# Altium PCB Tag_PCB.PcbDoc
Units mil, origin at the board's own origin, x right, y up, seen from the top; angles counter-clockwise.
Board outline 2555 x 1725 mil, 2 copper layers (Top Layer, Bottom Layer); 80 components, 55 nets, 361 pads, 62 vias.
Unrouted connection lines stored in the file: 1.
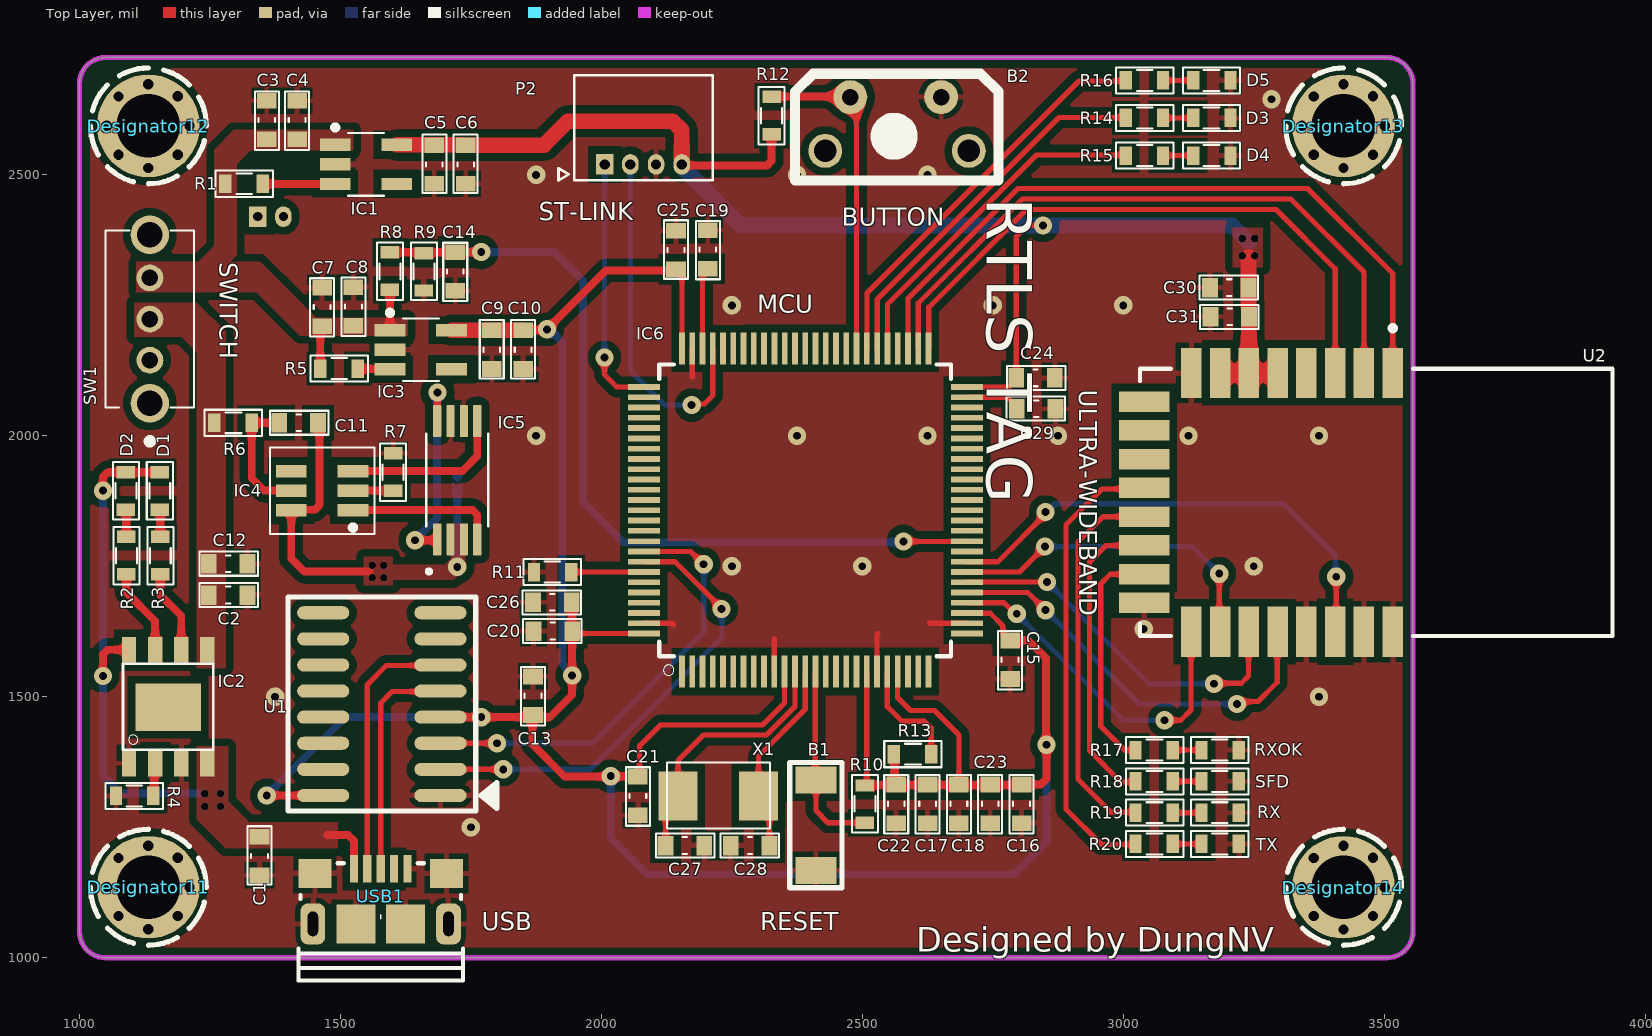
[diagram p0: Top Layer view]
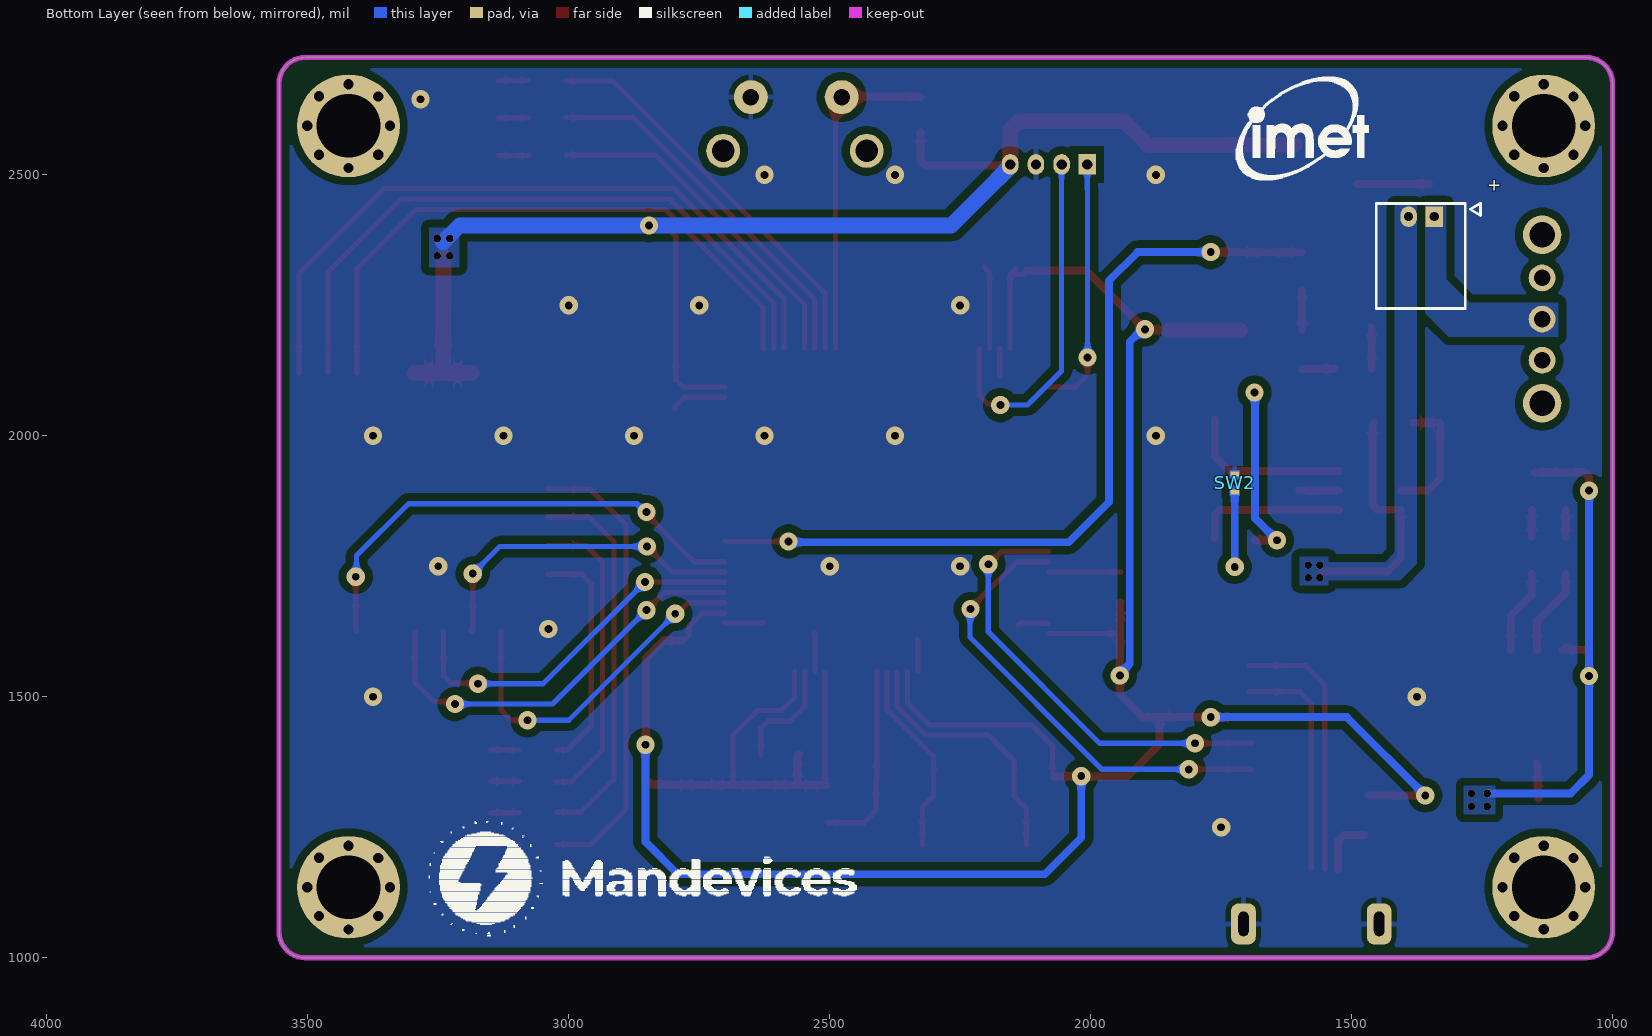
[diagram p1: Bottom Layer view, seen from below]
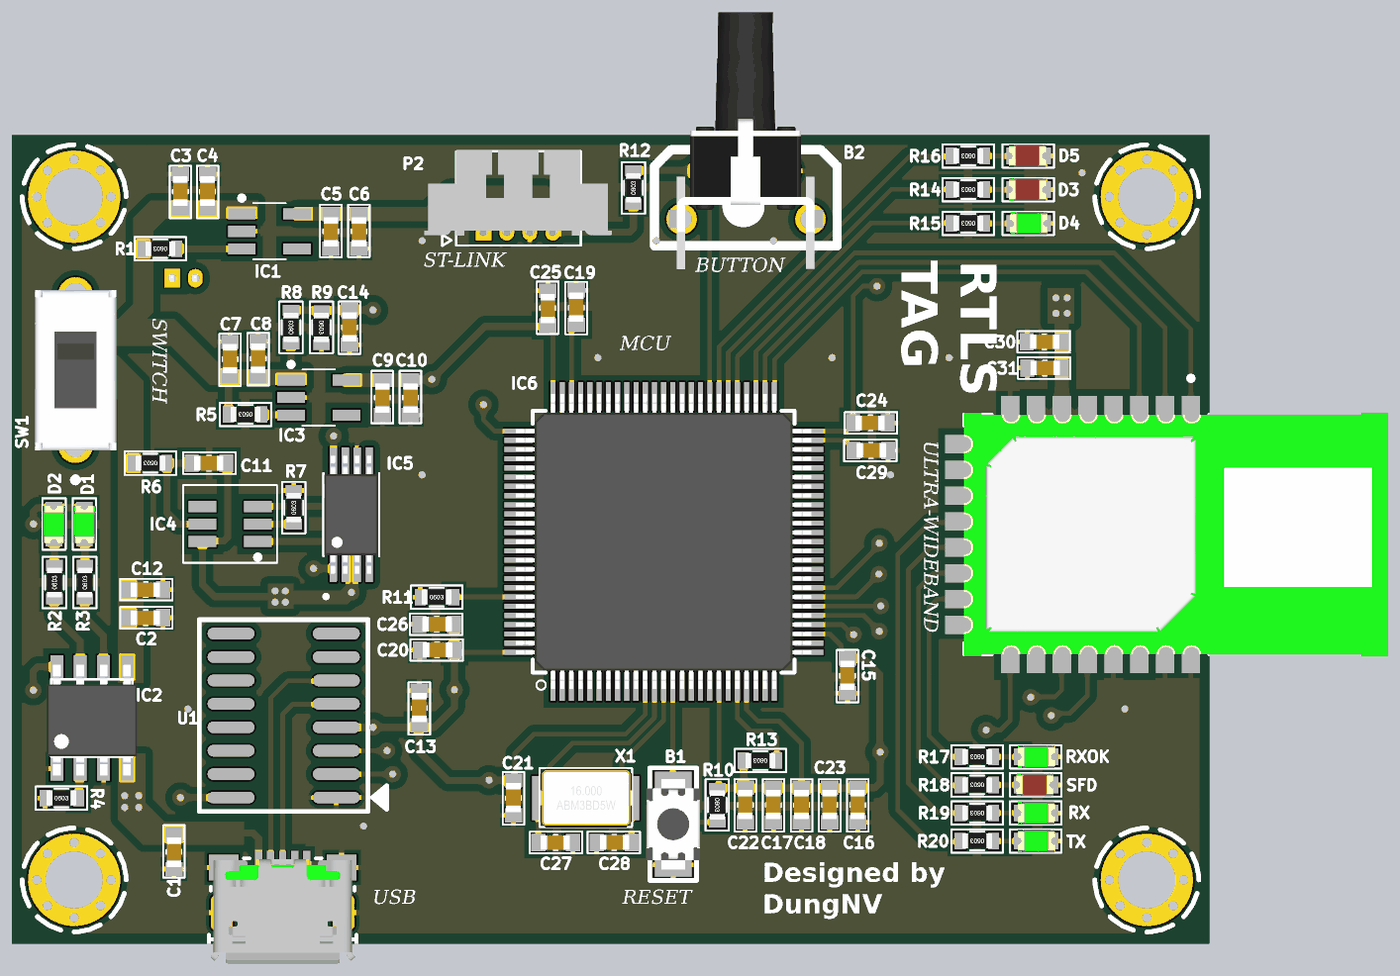
[diagram p2: 3D render of the assembled board from above, using the file's embedded part models]

## Layer stack, top to bottom
Top Solder: solder mask 0.4, Solder Resist, Dk 3.5
Top Layer: signal copper 1.4
Dielectric 1: dielectric 12.6, FR-4, Dk 4.8
Bottom Layer: signal copper 1.4
Bottom Solder: solder mask 0.4, Solder Resist, Dk 3.5

## Board outline
1000,1050 1000,2675 cw(c1050,2675) 1050,2725 3505,2725 cw(c3505,2675) 3555,2675 3555,1050 cw(c3505,1050) 3505,1000 1050,1000 cw(c1050,1050)

## Design rules (kind name [scope] priority, off if disabled: settings)
Clearance [All] p1: gap=8 ignorepadtopadclearanceinfootprint=TRUE except(0: Arc-Hole Track-Hole SMDPad-Hole THPad-Hole Via-Hole Fill-Hole Poly-Hole Region-Hole Text-Hole; 15: Arc-Fill Arc-Poly Arc-Region Track-Fill Track-Poly Track-Region SMDPad-Fill SMDPad-Poly SMDPad-Region THPad-Fill THPad-Poly THPad-Region Via-Fill Via-Poly Via-Region Fill-Fill Fill-Poly Fill-Region Poly-Poly Poly-Region Region-Region)
MinimumSolderMaskSliver [All] p1: minsoldermaskwidth=0
PolygonConnect PolygonConnect_GND [InNet('GND')] p1: thpad.connectstyle=Relief thpad.reliefconductorwidth=10 thpad.reliefentries=4 thpad.polygonreliefangle="90 Angle" thpad.airgapwidth=10 smdpad.connectstyle=Relief smdpad.reliefconductorwidth=10 smdpad.reliefentries=4 smdpad.polygonreliefangle="90 Angle" smdpad.airgapwidth=10 via.connectstyle=Direct via.reliefconductorwidth=10 via.reliefentries=4 via.polygonreliefangle="90 Angle" via.airgapwidth=10
PolygonConnect [All] p2: connectstyle=Direct reliefconductorwidth=10 reliefentries=4 polygonreliefangle="90 Angle" airgapwidth=10
RoutingVias [All] p1: holewidth=15 width=35 viastyle="Through Hole" minholewidth=15 minwidth=15 maxholewidth=20 maxwidth=45
SilkToSilkClearance [All] p1: silktosilkclearance=0
SilkToSolderMaskClearance [IsPad] p1: minsilkscreentomaskgap=0 clearancetoexposedcopper=TRUE
SolderMaskExpansion [All] p1: expansion=4 istentingtop=FALSE
Width [All] p1: maxlimit=100 minlimit=5 preferedwidth=10
27 further rules are at their usual default settings.

## Classes and differential pairs
component class U_STM32: B1 B2 C15 C16 C17 C18 C19 C20 C21 C22 C23 C24 C25 C26 C27 C28 C29 D3 D4 D5 IC6 P2 R10 R11 R12 R13 R14 R15 R16 X1
component class U_POWER: + C1 C2 C3 C4 C5 C6 C7 C8 C9 C10 C11 C12 C13 C14 D1 D2 IC1 IC2 IC3 IC4 IC5 R1 R2 R3 R4 R5 R6 R7 R8 R9 SW1 SW2 U1 USB1
component class U_DW1000: C30 C31 R17 R18 R19 R20 RX RXOK SFD TX U2

## Components (designator, comment, footprint, x,y, rotation, side; value= is the part's Value field where it differs from the comment)
+ "BAT" HEAD2P-1.25 1370,2420 r0 bottom (schematic designator P1)
B1 "Button 3x4x2.5" "Button 3x4x2.5" 2411,1254 r90 top
B2 "Button 3x4x2.5" "BUTTON NGHIENG" 2581,2639 r180 top
C1 "100nF" CAP_0603 1345,1195 r270 top value=33p
C2 "100nF" CAP_0603 1285,1695 r180 top value=33p
C3 "100nF" CAP_0603 1359,2605 r90 top value=33p
C4 "10uF" CAP_0603 1417,2605 r90 top value=33p
C5 "100nF" CAP_0603 1680,2520 r270 top value=33p
C6 "10uF" CAP_0603 1740,2520 r270 top value=33p
C7 "100nF" CAP_0603 1465,2247 r90 top value=33p
C8 "10uF" CAP_0603 1525,2248 r90 top value=33p
C9 "100nF" CAP_0603 1790,2165 r270 top value=33p
C10 "10uF" CAP_0603 1850,2165 r270 top value=33p
C11 "100nF" CAP_0603 1420,2025 r180 top value=33p
C12 "100nF" CAP_0603 1285,1755 r180 top value=33p
C13 "100nF" CAP_0603 1869,1502 r90 top value=33p
C14 "100nF" CAP_0603 1720,2315 r90 top value=33p
C15 "100nF" CAP_0603 2783,1571 r90 top value=33p
C16 "1uF" CAP_0603 2805,1295 r90 top value=33p
C17 "100nF" CAP_0603 2625,1295 r90 top value=33p
C18 "1uF" CAP_0603 2685,1295 r90 top value=33p
C19 "2.2uF" CAP_0603 2204,2357 r90 top value=33p
C20 "100nF" CAP_0603 1907,1626 r0 top value=33p
C21 "100nF" CAP_0603 2070,1310 r90 top value=33p
C22 "100nF" CAP_0603 2565,1295 r90 top value=33p
C23 "100nF" CAP_0603 2745,1295 r90 top value=33p
C24 "100nF" CAP_0603 2832,2111 r180 top value=33p
C25 "100nF" CAP_0603 2143,2356 r270 top value=33p
C26 "4.7uF" CAP_0603 1906,1681 r0 top value=33p
C27 "22pF" CAP_0603 2160,1215 r180 top value=33p
C28 "22pF" CAP_0603 2285,1215 r0 top value=33p
C29 "2.2uF" CAP_0603 2833,2052 r0 top value=33p
C30 "10uF" CAP_0603 3203,2284 r0 top value=33p
C31 "100nF" CAP_0603 3204,2228 r0 top value=33p
D1 "BLUE" LED-0603-Green 1155,1890 r270 top value="LED 3 ly Single Colour"
D2 "BLUE" LED-0603-Green 1090,1890 r270 top value="LED 3 ly Single Colour"
D3 "RED" LED-0603-Red 3171,2609 r0 top value="LED 3 ly Single Colour"
D4 "GREEN" LED-0603-Green 3174,2538 r0 top value="LED 3 ly Single Colour"
D5 "YELLOW" LED-0603-Red 3171,2681 r0 top value="LED 3 ly Single Colour"
Designator11 "Comment" HOLD 1132.09,1135.12 r0 top
Designator12 "Comment" HOLD 1132.09,2593.9 r0 top
Designator13 "Comment" HOLD 3422.09,2593.9 r0 top
Designator14 "Comment" HOLD 3422.09,1135 r0 top
IC1 "RT9013" SOT23-5 1549.06,2520.03 r0 top
IC2 "TP4056" TP4056 1170,1481 r90 top
IC3 "RT9013" SOT23-5 1654.06,2165 r0 top
IC4 "DW01A" SOT23-6 1465,1895 r180 top
IC5 "FS8205A" FS8205A 1726,1915 r90 top
IC6 "STM32F407VET6" STM32F407VET6 2365,1865 r90 top
P2 "ST_LINK" HEADER4P-1.25 2082.79,2520 r0 top
R1 "10k" RES-SMD-0603 1316,2483 r180 top
R2 "1k" RES-SMD-0603 1090,1770 r90 top
R3 "1k" RES-SMD-0603 1155,1770 r90 top
R4 "1k2" RES-SMD-0603 1105,1310 r0 top
R5 "10k" RES-SMD-0603 1498,2129 r180 top
R6 "10R" RES-SMD-0603 1295,2025 r180 top
R7 "1k" RES-SMD-0603 1601,1930 r90 top
R8 "30k" RES-SMD-0603 1595,2315 r90 top
R9 "100k" RES-SMD-0603 1660,2315 r270 top
R10 "10k" RES-SMD-0603 2505,1295 r270 top
R11 "100k" RES-SMD-0603 1906,1739 r0 top
R12 "10k" RES-SMD-0603 2326,2613 r90 top
R13 "0R" RES-SMD-0603 2597,1390 r180 top
R14 "1k" RES-SMD-0603 3041,2609 r180 top
R15 "1k" RES-SMD-0603 3041,2537 r180 top
R16 "1k" RES-SMD-0603 3041,2681 r180 top
R17 "330R" RES-SMD-0603 3060,1398 r180 top
R18 "330R" RES-SMD-0603 3060,1338 r180 top
R19 "330R" RES-SMD-0603 3060,1278 r180 top
R20 "330R" RES-SMD-0603 3060,1218 r180 top
RX "GREEN" LED-0603-Green 3190,1279 r0 top value="LED 3 ly Single Colour" (schematic designator D8)
RXOK "BLUE" LED-0603-Green 3190,1399 r0 top value="LED 3 ly Single Colour" (schematic designator D6)
SFD "RED" LED-0603-Red 3187,1338 r0 top value="LED 3 ly Single Colour" (schematic designator D7)
SW1 "Cong tac gat" CONG-TAC-GAT 1115.18,2230.81 r90 top
SW2 "SW" SW 1732.86,1889.6 r0 bottom
TX "YELLOW" LED-0603-Green 3190,1219 r0 top value="LED 3 ly Single Colour" (schematic designator D9)
U1 "CH340C" SO16 1579.36,1486 r180 top
U2 "DWM1000" DW1000 3484.69,1873.68 r270 top
USB1 "USB Micro 5p DIP" "USB Micro 5p DIP" 1577.24,1065 r0 top
X1 "8Mhz" "XTAL 5032 SMD" 2225,1310 r0 top value=4Mhz

## Footprints (in the part's own frame and the unit in brackets; to place one, negate y for a bottom-side part, rotate by r counter-clockwise, add the part's x,y. Pads: shape width x height; smd on the part's side, far side on the other; paste and mask are expansions set on the pad)
"Button 3x4x2.5" [mm]
  rect 1.3x2 smd: 1(-2.2,0) 2(2.2,0)
  silkscreen extent -3.05,-1.27 3.05,1.27, body extent -2.45,-1.45 2.45,1.45, height 2
"BUTTON NGHIENG" [mil] "BUTTON NGHIENG"
  round 65 hole 43.31: 0(-123,93) 0(152,93)
  round 65 hole 31.5: 1(-70,-10) 2(104,-10)
  silkscreen extent -180,-55 210,150, body extent -150,-348 180,200, height 494
CAP_0603 [mil]
  rect 30x37.4 smd mask+3: 1(-37,0) 2(37,0)
  silkscreen extent -57,-23 55,23, body extent -30,-15 32,16, height 35
CONG-TAC-GAT [mm]
  round 1.3 hole 0.8: 1(-2.18,-0.503) 2(-0.18,-0.503) 3(1.82,-0.503)
  round 1.875 hole 1.25: 4(-4.28,-0.503) 5(3.92,-0.503)
  silkscreen extent -6.18,-2.65 4.12,1.65, body extent -4.53,-2.7 4.17,1.7, height 8.7
DW1000 [mm]
  rect 2.45x1 smd paste+0 mask+0: 1(-6.27,0.8) 2(-6.27,-0.6) 3(-6.27,-2) 4(-6.27,-3.4) 5(-6.27,-4.8) 6(-6.27,-6.2) 7(-6.27,-7.6) 8(-6.27,-9) 17(6.32,-9) 18(6.32,-7.6) 19(6.32,-6.2) 20(6.32,-4.8) 21(6.32,-3.4) 22(6.32,-2) 23(6.32,-0.6) 24(6.32,0.8)
  rect 1x2.45 smd paste+0 mask+0: 9(-4.875,-11.295) 10(-3.475,-11.295) 11(-2.075,-11.295) 12(-0.675,-11.295) 13(0.725,-11.295) 14(2.125,-11.295) 15(3.525,-11.295) 16(4.925,-11.295)
  silkscreen extent -8.57,-11.5 6.53,11.5, body extent -6.57,-11.5 6.63,11.5, height 3.15
FS8205A [mm]
  rrect25% 1.56x0.4 smd: 1(-2.88,1.031) 2(-2.88,0.381) 3(-2.88,-0.269) 4(-2.88,-0.919) 5(2.88,-0.919) 6(2.88,-0.269) 7(2.88,0.381) 8(2.88,1.031)
  silkscreen extent -4.54,-1.46 2.25,1.57, body extent -3.2,-1.4 3.2,1.53, height 1.2
HEAD2P-1.25 [mm]
  rect 0.85x1 hole 0.45 mask+0.076: 1(-0.722,0)
  oval 0.8x1 hole 0.45 mask+0.076: 2(0.528,0)
  silkscreen extent -2.97,-0.66 2.11,4.47, body extent -3.84,-0.19 3.61,4.56, height 3.83
HEADER4P-1.25 [mm]
  rect 0.85x1 hole 0.5 mask+0.076: 1(-1.941,0)
  oval 0.8x1 hole 0.5 mask+0.076: 2(-0.691,0) 3(0.559,0) 4(1.809,0)
  silkscreen extent -4.19,-0.78 3.33,4.34, body extent -5.15,-0.23 5,4.42, height 3.8
HOLD [mm]
  round 0.5 hole 0.5: 2(-2.025,0) 2(-1.45,-1.4) 2(-1.45,1.425) 2(0,-2.05) 2(0,2.025) 2(1.429,-1.4) 2(1.429,1.434) 2(2,0)
  round 5 hole 3.1: 10(0,0)
  silkscreen extent -2.82,-2.82 2.82,2.82
LED-0603-Green [mm]
  rect 0.6x0.9 smd: 1(-1.016,-0.025) 2(0.8,-0.025)
  silkscreen extent -1.52,-0.66 1.27,0.61, body extent -1.11,-0.65 0.91,0.6, height 1.1
LED-0603-Red [mm]
  rect 0.6x0.9 smd: 1(-0.94,0) 2(0.876,0)
  silkscreen extent -1.45,-0.64 1.35,0.64, body extent -1.11,-0.62 0.91,0.63, height 1.1
RES-SMD-0603 [mm]
  rect 0.6x0.9 smd: 1(-0.889,0) 2(0.927,0)
  silkscreen extent -1.4,-0.63 1.4,0.64, body extent -0.8,-0.4 0.8,0.4, height 0.43
SO16 [mil]
  oval 100x25 smd: 1(-112.36,175) 2(-112.36,125) 3(-112.36,75) 4(-112.36,25) 5(-112.36,-25) 6(-112.36,-75) 7(-112.36,-125) 8(-112.36,-175) 9(112.36,-175) 10(112.36,-125) 11(112.36,-75) 12(112.36,-25) 13(112.36,25) 14(112.36,75) 15(112.36,125) 16(112.36,175)
  silkscreen extent -220,-205 180,205, body extent -137,-195 137,195, height 69
SOT23-5 [mm] "SOT23, 5-Leads, Body 3.0x3.0mm (max), Pitch 0.95mm, IPC Medium Density"
  rect 1.5x0.6 smd: 1(-1.5,0.95) 2(-1.5,0) 3(-1.5,-0.95) 4(1.5,-0.95) 5(1.5,0.95)
  silkscreen extent -1.62,-1.52 0.87,1.92, body extent -1.75,-1.52 1.75,1.53, height 1.45
SOT23-6 [mm] "SOT23, 5-Leads, Body 3.0x3.0mm (max), Pitch 0.95mm, IPC Medium Density"
  rect 1.5x0.6 smd: 1(-1.5,0.95) 2(-1.5,0) 3(-1.5,-0.95) 4(1.5,-0.95) 5(1.5,0) 6(1.5,0.95)
  silkscreen extent -2.54,-2.11 2.54,2.11, body extent -1.75,-1.52 1.75,1.53, height 1.45
STM32F407VET6 [mm]
  rect 1.559x0.28 smd: 1(-8.049,5.353) 2(-8.049,4.853) 3(-8.049,4.353) 4(-8.049,3.853) 5(-8.049,3.353) 6(-8.049,2.853) 7(-8.049,2.353) 8(-8.049,1.853) 9(-8.049,1.353) 10(-8.049,0.853) 11(-8.049,0.353) 12(-8.049,-0.147) 13(-8.049,-0.647) 14(-8.049,-1.147) 15(-8.049,-1.647) 16(-8.049,-2.147) 17(-8.049,-2.647) 18(-8.049,-3.147) 19(-8.049,-3.647) 20(-8.049,-4.147) 21(-8.049,-4.647) 22(-8.049,-5.147) 23(-8.049,-5.647) 24(-8.049,-6.147) 25(-8.049,-6.647) 51(7.675,-6.65) 52(7.675,-6.15) 53(7.675,-5.65) 54(7.675,-5.15) 55(7.675,-4.65) 56(7.675,-4.15) 57(7.675,-3.65) 58(7.675,-3.15) 59(7.675,-2.65) 60(7.675,-2.15) 61(7.675,-1.65) 62(7.675,-1.15) 63(7.675,-0.65) 64(7.675,-0.15) 65(7.675,0.35) 66(7.675,0.85) 67(7.675,1.35) 68(7.675,1.85) 69(7.675,2.35) 70(7.675,2.85) 71(7.675,3.35) 72(7.675,3.85) 73(7.675,4.35) 74(7.675,4.85) 75(7.675,5.35)
  rect 0.28x1.559 smd: 26(-6.196,-8.526) 27(-5.696,-8.526) 28(-5.196,-8.526) 29(-4.696,-8.526) 30(-4.196,-8.526) 31(-3.696,-8.526) 32(-3.196,-8.526) 33(-2.696,-8.526) 34(-2.196,-8.526) 35(-1.696,-8.526) 36(-1.196,-8.526) 37(-0.696,-8.526) 38(-0.196,-8.526) 39(0.304,-8.526) 40(0.804,-8.526) 41(1.304,-8.526) 42(1.804,-8.526) 43(2.304,-8.526) 44(2.804,-8.526) 45(3.304,-8.526) 46(3.804,-8.526) 47(4.304,-8.526) 48(4.804,-8.526) 49(5.304,-8.526) 50(5.804,-8.526) 76(5.804,7.206) 77(5.304,7.206) 78(4.804,7.206) 79(4.304,7.206) 80(3.804,7.206) 81(3.304,7.206) 82(2.804,7.206) 83(2.304,7.206) 84(1.804,7.206) 85(1.304,7.206) 86(0.804,7.206) 87(0.304,7.206) 88(-0.196,7.206) 89(-0.696,7.206) 90(-1.196,7.206) 91(-1.696,7.206) 92(-2.196,7.206) 93(-2.696,7.206) 94(-3.196,7.206) 95(-3.696,7.206) 96(-4.196,7.206) 97(-4.696,7.206) 98(-5.196,7.206) 99(-5.696,7.206) 100(-6.196,7.206)
  silkscreen extent -8.23,-7.75 6.9,6.45, body extent -8.2,-8.65 7.8,7.35, height 1.56
SW [mm]
  rect 0.4x0.25 smd: 1(-0.225,-0.95) 2(-0.225,-0.075)
  Top Layer region: -0.475,-1.138 -0.475,-0.763 -0.225,-0.513 0.025,-0.762 0.025,-1.138
  Top Layer region: -0.475,-0.575 -0.225,-0.325 0.025,-0.575 0.025,0.112 -0.475,0.112
TP4056 [mm]
  rect 1.3x0.7 smd: 1(-2.75,1.905) 2(-2.75,0.635) 3(-2.75,-0.635) 4(-2.75,-1.905) 5(2.75,-1.905) 6(2.75,-0.635) 7(2.75,0.635) 8(2.75,1.905)
  rect 2.3x3.2 smd: GND(-0.025,0)
  silkscreen extent -2.1,-2.2 2.1,2.2, body extent -3.13,-2.45 2.87,2.45, height 1.75
"USB Micro 5p DIP" [mm]
  rect 0.4x1.35 smd mask+0.05: 1(-1.3,2.675) 2(-0.65,2.675) 3(0,2.675) 4(0.65,2.675) 5(1.3,2.675)
  rrect60% 1.2x2 hole 0.5 slot 1.2 at 90 deg: 5(-3.3,0) 5(3.3,0)
  rect 1.6x1.4 smd: 5(-3.2,2.45) 5(3.2,2.45)
  rect 1.9x1.9 smd paste-10: 5(-1.2,0) 5(1.2,0)
  silkscreen extent -4,-2.75 4,2.95, body extent -3.93,-2.76 3.93,2.9, height 2.85
"XTAL 5032 SMD" [mm] "SMD 5032 XTAL Footprint"
  rect 1.9x2.4 smd: 1(-1.981,0) 2(1.93,0)
  silkscreen extent -2.51,-1.57 2.49,1.63, body extent -2.5,-1.6 2.5,1.6, height 1.31

## Part data
+: library part Header2, "Header IDC, 2 x 1 Pin Vertical 2.54mm Pitch (Non-Boxed, Male)", Manufacturer="W¨¹rth Elektronik eiSos GmbH", partNo=613002143121, ComponentLink1 Description=Manufacturer, ComponentLink1URL=http://www.we-online.com, ComponentLink2 Description=Datasheet, ComponentLink2URL=http://katalog.we-online.de/em/datasheet/6130xx143121.pdf, Created by="Karrer Zheng", Created Date="29 March 2013", NoPins=02
C1 C2 C3 C4 C5 C6 C7 C8 C9 C10 C11 C12 C13 C14 C15 C16 C17 C18 C19 C20 C21 C22 C23 C24 C25 C26 C27 C28 C29 C30 C31: library part CapSMD, "Capacitor", LatestRevisionDate=17-Jul-2002, LatestRevisionNote="Re-released for DXP Platform.", PackageReference=RAD-0.3, Published=8-Jun-2000, Publisher="Altium Limited"
D1 D2 D3 D4 D5 RX RXOK SFD TX: library part LED, "LED Single colour Green and Red"
IC1 IC3: "RT9013-33GB IC REG LINEAR 3.3V 500mA SOT23-5"
IC2: "Complete single cell Li-Ion battery with a constant current / constant voltage linear charger"
IC4: "One Cell Lithium-ion/Polymer Battery Protection IC"
P2: library part Header4, "Header IDC, 4 x 1 Pin Vertical 2.54mm Pitch (Non-Boxed, Male)", Manufacturer="W¨¹rth Elektronik eiSos GmbH", partNo=613002143121, ComponentLink1 Description=Manufacturer, ComponentLink1URL=http://www.we-online.com, ComponentLink2 Description=Datasheet, ComponentLink2URL=http://katalog.we-online.de/em/datasheet/6130xx143121.pdf, Created by="Karrer Zheng", Created Date="29 March 2013", NoPins=02
R1 R2 R3 R4 R5 R8 R9 R10 R11 R12 R13 R14 R15 R16 R17 R18 R19 R20: library part "Resistor - SMD", "Resistor", Manufacturer="Generic Components", Class=Passive, Published=08/06/2000, Publisher="Altium Hobart Technology Centre"
R6 R7: library part "Resistor - SMD", "Resistor SMD", Manufacturer="Generic Components", Class=Passive, Published=08/06/2000, Publisher="Altium Hobart Technology Centre"
U1: "USB to serial chip CH340", Package=Package, Availability=Unavailable, Check_prices=https://www.snapeda.com/parts/CH340C/WCH/view-part/5428851/?ref=eda, MF=WCH, MP=CH340C, Price=None, SnapEDA_Link=https://www.snapeda.com/parts/CH340C/WCH/view-part/5428851/?ref=snap
U2: "Decawave's DW1000 Ultra / Wideband (UWB) transceiver IC"
USB1: "USB Type B", Ma_Hang=MH005145, Ten="MicroUSB MK5P DIP"
X1: library part XT2, "Crystal For all Crystal 2pin."

## Via types
v1: diameter 35, hole 15, Top Layer to Bottom Layer, tented both sides, 50 vias
v2: diameter 15, hole 15, Top Layer to Bottom Layer, tented both sides, 12 vias

## Nets (pads, with @x,y where several pads share a name; then routed paths per layer and width w, separated by ;. In a path a pad name is that pad's centre, name@x,y a point inside that pad or via, vN(x,y) a via of type N, cw(c..) or ccw(c..) an arc to the next point about the centre after c; other vN are vias at no path point)
+3.3V: C5.1 C6.1 C9.1 C10.1 C13.1 C15.2 C16.2 C17.2 C18.2 C20.2 C21.2 C22.2 C23.2 C24.2 C25.2 C26.2 C30.2 C31.2 IC1.5 IC3.5 IC6.11 IC6.19 IC6.22 IC6.28 IC6.50 IC6.75 IC6.100 P2.4 R10.1 R12.1 R13.2 U1.4 U1.16 U2.5 U2.6 U2.7 | length 8537.7
  Top Layer w10: C20.2 1948.92,1621.08 IC6.100 ; C21.2 2073,1350 2073,1406 2113,1446 2309,1446 2351.11,1488.11 IC6.11 ; 2122.37,2317 2130.37,2309 C25.2@2144.51,2309 ; C25.2 2144.37,2319 2154.37,2309 IC6.75 ; R10.1 2506,1331 2508.59,1333.59 IC6.19 ; IC6.22 2567.65,1498.35 2592,1474 2638,1474 2685,1427 C18.2 ; IC6.28 2701.16,1659.94 2745.06,1659.94 2769.3,1635.7 2769.3,1618 2779.3,1608 C15.2 ; IC6.50 2781.22,2093.52 2795,2107.3 C24.2 2795,2382 2816,2403 v1(2846,2403)
  Top Layer w15: v1(1359,1311) U1.16 ; U1.4 v1(1770,1461) C13.1@1868,1461 ; C10.1 1851,2203 1895,2203 2009,2317 2122.37,2317 ; C26.2 1943.5,1680.5 1943.5,1626.5 C20.2 1944,1504 1901,1461 C13.1@1868,1461 ; C21.2 2069.5,1347.5 2018.5,1347.5 v1(2018,1348) 2017,1347 1930,1347 1868,1409 C13.1@1868,1461 ; P2.4 2156,2518 2317.21,2518 2326,2526.79 R12.1 R12.1@2326,2582.16 ; R10.1@2506,1331 2804,1331 C16.2 2841.97,1332 2853,1343.03 v1(2853,1408) 2852,1409 2852,1574 2818,1608 C15.2 ; R13.2@2558.51,1390 2561.76,1386.75 2561.76,1335.24 C22.2
  Top Layer w30: IC1.5 1735.86,2557.44 1736.3,2557 C6.1 1890,2557 1936,2603 2136.43,2603 2154,2585.43 P2.4 ; IC3.5 1845.9,2202.4 1846.3,2202 C10.1 ; U2.7 U2.5 ; 3240,2247.3 3240.59,2246.71 U2.6 ; 3240,2251 C30.2 3240,2343
  Bottom Layer w15: v1(1359,1311) 1509,1461 v1(1770,1461) ; v1(1896,2204) 1901.41,2204 1925,2180.41 1925,1563.79 1944,1544.79 v1(1944,1541) ; v1(2018,1348) 2018,1230 2088,1160 2791,1160 2853,1222 v1(2853,1408)
  Bottom Layer w30: P2.4 2154.49,2519.51 2154.49,2515.57 2267.06,2403 3209,2403 3241,2371
  other v2: 3228,2345 3252,2345 3228,2378 3252,2378
+5V: C1.1 D1.1 D2.1 IC2.4 IC2.8 USB1.1 | length 1101.7
  Top Layer w15: v1(1045,1540) 1045,1581.21 1053.79,1590 1094.27,1590 IC2.8 IC2.8@1088.72,1595.55 ; v1(1045,1895) 1045,1921.22 1053.79,1930 D1.1@1149,1930 ; 1475,1235 1515,1235 1526.06,1223.94 USB1.1
  Bottom Layer w15: v1(1045,1895) v1(1045,1540) 1045,1350 1080,1315 v2(1240,1315)
  other v2: 1240,1290 1270,1290 1270,1315
BUT: B2.2 IC6.58 R12.2 | length 638
  Top Layer w10: B2.2 2477,2634.12 2489.02,2622.1 IC6.58
  Top Layer w15: R12.2 2326.51,2650 B2.2@2477,2650
D_N: U1.6 USB1.2 | length 514.1
  Top Layer w10: USB1.2 1551.65,1523.65 1588,1560 U1.6@1697.36,1560
D_P: U1.5 USB1.3 | length 447.1
  Top Layer w10: USB1.3 1577.24,1488.24 1599,1510 U1.5@1697.36,1510
DW_NRST: IC6.51 U2.3 | length 1182.1
  Top Layer w10: IC6.51 2627.19,2167.55 2627.19,2246.19 2814.5,2433.5 3292.5,2433.5 3405.95,2320.05 U2.3
EXTON: IC6.53 U2.1 | length 1370.1
  Top Layer w10: IC6.53 2587.44,2263.44 2798,2474 3353,2474 3516.18,2310.82 U2.1
GND: B1.1 B2.1 C1.2 C2.1 C3.2 C4.2 C5.2 C6.2 C7.2 C8.2 C9.2 C10.2 C12.1 C13.2 C14.1 C15.1 C16.1 C17.1 C18.1 C19.2 C20.1 C21.1 C22.1 C23.1 C24.1 C25.1 C26.1 C27.1 C28.1 C29.2 C30.1 C31.1 D3.2 D4.2 D5.2 IC1.2 IC2.1 IC2.3 IC3.2 IC5.6 IC5.7 IC6.10 IC6.20 IC6.27 IC6.74 IC6.99 P2.3 R4.1 R7.2 R9.2 R11.1 RX.2 RXOK.2 SFD.2 SW2.1 TX.2 U1.1 U2.8 U2.16 U2.21 U2.23 U2.24 USB1.5 | length 325.1
  Top Layer w10: IC6.99 2135.24,1640.76 cw(c2135.24,1638) 2138,1638 ; 2174.06,2113 IC6.74 ; IC6.10 2331.43,1611 ; IC6.20 2528.28,1619.28 cw(c2530,1619.28) 2530,1621 ; 2629,1642 ccw(c2630.24,1642) 2630.24,1640.76 IC6.27 ; v1@3039,1629 v1(3039,1630) cw(c3040,1630) v1@3040,1631 ; v1@3284,2644 v1(3284,2645)
  other v1: 1750,1250 1375,1500 3375,1500 2250,1750 2500,1750 3250,1750 1875,2000 2375,2000 2625,2000 2875,2000 3125,2000 3375,2000 2250,2250 2750,2250 3000,2250 1875,2500 2375,2500 2625,2500
IRQ: IC6.33 U2.22 | length 942.6
  Top Layer w10: IC6.33 2759.87,1758.87 2851,1850 v1(2851,1854) ; U2.22 3408,1626.9 v1(3408,1730)
  Bottom Layer w10: v1(2851,1854) 2853.36,1854 2869.36,1870 3307,1870 3406.5,1770.5 3406.5,1731.5 v1(3408,1730)
LED1: IC6.55 R15.2 | length 660.2
  Top Layer w10: IC6.55 2548.07,2252.07 2834,2538 3003.51,2538 R15.2
LED2: IC6.56 R14.2 | length 715.2
  Top Layer w10: IC6.56 2528.39,2261.39 2877,2610 3003.51,2610 R14.2
LED3: IC6.57 R16.2 | length 770.6
  Top Layer w10: IC6.57 2508.7,2273.7 2915,2680 R16.2@3004.51,2680
LED_RX: R19.2 U2.13 | length 738.3
  Top Layer w10: R19.2@3023.23,1279 2976,1279 2913,1342 2913,1797 2961.12,1845.12 U2.13
LED_RXOK: R17.2 U2.15 | length 449.6
  Top Layer w10: R17.2 3002,1398 2957,1443 2957,1717 2974.88,1734.88 U2.15
LED_SFD: R18.2 U2.14 | length 593.2
  Top Layer w10: R18.2@3024.14,1337 2995,1337 2935,1397 2935,1758 2967,1790 U2.14
LED_TX: R20.2 U2.12 | length 884.8
  Top Layer w10: R20.2@3023.51,1217 2958,1217 2890.5,1284.5 2890.5,1829.48 2959.24,1898.22 3037.98,1898.22 U2.12
NetC11_1: +.2 C11.1 IC4.6 IC5.2 IC5.3 SW2.2 | length 610.8
  Top Layer w15: C11.1 1460,2022 1460,1867.28 1451.21,1858.49 1406.83,1858.49 IC4.6 1405.94,1765.06 1431,1740 1556,1740
  Bottom Layer w15: v1(1724,1749) SW2.2@1724,1889.77
  other v2: 1561,1728 1583,1728 1561,1752 1583,1752
NetC11_2: C11.2 IC4.5 R6.1 | length 244.9
  Top Layer w15: C11.2 R6.1 1330,1919 1354,1895 IC4.5
NetC19_1: C19.1 IC6.73 | length 161.2
  Top Layer w10: IC6.73 2193.74,2313.48 C19.1@2204.26,2324
NetC27_2: C27.2 IC6.12 X1.1 | length 506.4
  Top Layer w10: C27.2 2123,1286 X1.1 2147,1378 2196,1427 2316.54,1427 2370.8,1481.25 IC6.12
NetC28_2: C28.2 IC6.13 X1.2 | length 378.9
  Top Layer w10: C28.2 2322,1289 X1.2 2301,1386 2390.48,1475.48 IC6.13
NetC29_1: C29.1 IC6.49 | length 106.6
  Top Layer w10: IC6.49 2777.87,2073.83 2796,2055.7 C29.1
NetD1_2: D1.2 R3.2 | length 52.4
  Top Layer w15: D1.2 1155,1857.52 R3.2
NetD2_2: D2.2 R2.2 | length 52.4
  Top Layer w15: D2.2 1090,1857.52 R2.2
NetD3_1: D3.1 R14.1 | length 58
  Top Layer w10: R14.1 D3.1
NetD4_1: D4.1 R15.1 | length 58
  Top Layer w10: R15.1 D4.1
NetD5_1: D5.1 R16.1 | length 58
  Top Layer w10: R16.1 D5.1
NetD6_1: R17.1 RXOK.1 | length 55
  Top Layer w10: R17.1 RXOK.1
NetD7_1: R18.1 SFD.1 | length 55
  Top Layer w10: R18.1 SFD.1
NetD8_1: R19.1 RX.1 | length 55
  Top Layer w10: R19.1 RX.1
NetD9_1: R20.1 TX.1 | length 55
  Top Layer w10: R20.1 TX.1
NetIC1_3: IC1.3 R1.1 | length 139.2
  Top Layer w10: R1.1 R1.1@1351.37,2482.63
  Top Layer w15: R1.1@1351.37,2482.63 IC1.3
NetIC2_2: IC2.2 R4.2 | length 69.2
  Top Layer w15: R4.2@1141.49,1305 1143.25,1306.76 1143.25,1370.98 IC2.2
NetIC2_6: IC2.6 R3.1 | length 162.3
  Top Layer w15: R3.1 1155,1695 1195,1655 IC2.6
NetIC2_7: IC2.7 R2.1 | length 168.5
  Top Layer w15: R2.1 1090,1700 1145,1645 IC2.7
NetIC3_3: IC3.3 R5.1 | length 62.6
  Top Layer w15: R5.1 1533.7,2128.3 1594.3,2128.3 IC3.3
NetIC4_1: IC4.1 IC5.4 | length 286.3
  Top Layer w15: IC4.1 1753.47,1857.6 1762.26,1848.81 IC5.4@1762.26,1804.31
NetIC4_2: IC4.2 R7.1 | length 76.9
  Top Layer w15: IC4.2 R7.1
NetIC4_3: IC4.3 IC5.5 | length 320
  Top Layer w15: IC4.3 1733.4,1932.4 1762.26,1961.26 IC5.5@1762.26,2031.08
NetIC5_1: IC5.1 IC5.8 | length 399.5
  Top Layer w15: v1(1643,1800) 1685.04,1800 1685.41,1800.37 IC5.1 ; IC5.8 1685.7,2028.68 1685.7,2082.7 v1(1686,2083)
  Bottom Layer w15: v1(1643,1800) 1685,1842 1685,2082 v1(1686,2083)
NetIC6_21: IC6.21 R13.1 | length 218.1
  Top Layer w10: IC6.21 2547.96,1481.04 2576,1453 2619,1453 2632,1440 R13.1
NetIC6_94: IC6.94 R11.2 | length 138.9
  Top Layer w10: R11.2 1942.67,1739.19 IC6.94
NRST: B1.2 IC6.14 R10.2 | length 370.3
  Top Layer w10: IC6.14 2410,1547.94 2410,1341.61 B1.2 2411,1282 2434.49,1258.51 R10.2
SPI1_CLK: IC6.30 U2.20 | length 797.6
  Top Layer w10: IC6.30 2700.84,1700 2817,1700 v1(2851,1666) ; v1(3218,1486) 3222.78,1490.78 3257.78,1490.78 3295,1528 3295,1624.13 U2.20
  Bottom Layer w10: v1(2851,1666) 3031,1486 v1(3218,1486)
SPI1_CS: IC6.29 U2.17 | length 680.9
  Top Layer w10: IC6.29 2771.17,1680.13 2792.3,1659 v1(2796,1659) ; v1(3079,1455) 3110,1455 3130,1475 3130,1624.49 U2.17
  Bottom Layer w10: v1(2796,1659) 3000,1455 v1(3079,1455)
SPI1_MISO: IC6.31 U2.19 | length 711.6
  Top Layer w10: IC6.31 2700.9,1719.75 2853.75,1719.75 v1(2854,1720) ; v1(3174,1525) 3175,1526 3226,1526 3240,1540 3240,1624.25 U2.19
  Bottom Layer w10: v1(2854,1720) 3049,1525 v1(3174,1525)
SPI1_MOSI: IC6.32 U2.18 | length 639
  Top Layer w10: IC6.32 2801.19,1739.19 v1(2850,1788) ; v1(3184,1736) 3184,1626.32 U2.18 U2.18@3187,1626.37
  Bottom Layer w10: v1(2850,1788) 3132,1788 v1(3184,1736)
SWCLK: IC6.76 P2.1 | length 488.2
  Top Layer w10: v1(2006,2150) 2006,2117 2029.48,2093.52 IC6.76
  Bottom Layer w10: v1(2006,2150) 2006,2472.81 2006.36,2473.17 P2.1
SWDIO: IC6.72 P2.2 | length 677.9
  Top Layer w10: v1(2173,2059) 2174.98,2060.98 2196.98,2060.98 2213.43,2077.43 IC6.72
  Bottom Layer w10: P2.2 2055.57,2124.43 2121,2059 v1(2173,2059)
UART1_RXD: IC6.92 U1.3 | length 847.4
  Top Layer w10: U1.3 v1(1800,1411) ; IC6.92 2170.68,1778.56 2195.24,1754 v1(2196,1754)
  Bottom Layer w10: v1(1800,1411) 1983,1411 2196,1624 v1(2196,1754)
UART1_TXD: IC6.93 U1.2 | length 886
  Top Layer w10: U1.2 v1(1812,1361) ; IC6.93 2141.13,1758.87 2230,1670 v1(2230,1668)
  Bottom Layer w10: v1(1812,1361) 1978,1361 2231,1614 2231,1667 v1(2230,1668)
VBAT: +.1 C2.2 C12.2 IC2.5 R6.2 SW1.2
VBAT_ADC: C14.2 IC6.35 R8.2 R9.1 | length 1585.5
  Top Layer w10: v1(2578.73,1797.73) 2700.14,1797.73 IC6.35
  Top Layer w15: R8.2 1595.25,2351.74 1719.74,2351.74 C14.2 v1(1770,2352)
  Bottom Layer w15: v1(1770,2352) 1910,2352 1965,2297 1965,1873 2042,1796 2577,1796 v1(2578.73,1797.73)
VCC: C3.1 C4.1 C7.1 C8.1 IC1.1 IC3.1 R1.2 R5.2 R8.1 SW1.3 | length 160
  Top Layer w10: C7.1@1461.51,2206.51 C7.1
  Top Layer w15: R5.2 C7.1@1461.51,2206.51 ; IC3.1 R8.1
WAKEUP: IC6.52 U2.2 | length 1275.1
  Top Layer w10: IC6.52 2607.13,2254.13 2807,2454 3321,2454 3461.06,2313.94 U2.2
pads on no net: B2.0 Designator11.2 Designator11.10 Designator12.2 Designator12.10 Designator13.2 Designator13.10 Designator14.2 Designator14.10 IC1.4 IC2.GND IC3.4 IC4.4 IC6.1 IC6.2 IC6.3 IC6.4 IC6.5 IC6.6 IC6.7 IC6.8 IC6.9 IC6.15 IC6.16 IC6.17 IC6.18 IC6.23 IC6.24 IC6.25 IC6.26 IC6.34 IC6.36 IC6.37 IC6.38 IC6.39 IC6.40 IC6.41 IC6.42 IC6.43 IC6.44 IC6.45 IC6.46 IC6.47 IC6.48 IC6.54 IC6.59 IC6.60 IC6.61 IC6.62 IC6.63 IC6.64 IC6.65 IC6.66 IC6.67 IC6.68 IC6.69 IC6.70 IC6.71 IC6.77 IC6.78 IC6.79 IC6.80 IC6.81 IC6.82 IC6.83 IC6.84 IC6.85 IC6.86 IC6.87 IC6.88 IC6.89 IC6.90 IC6.91 IC6.95 IC6.96 IC6.97 IC6.98 SW1.1 SW1.4 SW1.5 U1.7 U1.8 U1.9 U1.10 U1.11 U1.12 U1.13 U1.14 U1.15 U2.4 U2.9 U2.10 U2.11 USB1.4

## Polygon pours and split planes (outlines as drawn)
GND on Top Layer "100" (solid, pour order 23): 1000,1050 1000,2675 cw(c1050,2675) 1050,2725 3505,2725 cw(c3505,2675) 3555,2675 3555,1050 cw(c3505,1050) 3505,1000 1050,1000 cw(c1050,1050)
+3.3V on Top Layer "100" (solid, pour order 22): 3267,2323 3267,2399 3210,2399 3210,2323
VCC on Top Layer "100" (solid, pour order 19): 1339,2275 1422,2192 1629,2192 1629,2226 1454,2226 1346.58,2333.42 1109.22,2333.42 1109.22,2275
VCC on Top Layer "100" (solid, pour order 18): 1109,2275 1230,2275 1301,2346 1301,2520 1328,2547 1525,2547 1525,2586 1296,2586 1258,2548 1258,2364 1227.42,2333.42 1109.43,2333.42
NetC11_1 on Top Layer "100" (solid, pour order 17): 1711.08,1832 1711.08,1764.08 1700,1753 1597,1753 1597,1724 1717,1724 1739,1746 1739,1832
NetC11_1 on Top Layer "100" (solid, pour order 14): 1545,1768 1545,1714 1600,1714 1600,1768
VBAT on Top Layer "100" (solid, pour order 8): 1225,1555 1225,2160 1195,2190 1105,2190 1105,2255 1225,2255 1280,2200 1280,1555
+5V on Top Layer "100" (solid, pour order 0): 1495,1260 1325,1260 1285,1300 1285,1405 1225,1405 1225,1265 1280,1210 1495,1210
GND on Bottom Layer "100" (solid, pour order 24): 1000,1050 1000,2675 cw(c1050,2675) 1050,2725 3505,2725 cw(c3505,2675) 3555,2675 3555,1050 cw(c3505,1050) 3505,1000 1050,1000 cw(c1050,1050)
+3.3V on Bottom Layer "100" (solid, pour order 20): 3267,2323 3267,2399 3210,2399 3210,2323
NetC11_1 on Bottom Layer "100" (solid, pour order 15): 1544.5,1768 1599.5,1768 1599.5,1714 1544.5,1714
NetC11_1 on Bottom Layer "100" (solid, pour order 13): 1375,2063 1375,1755 1407,1723 1545,1723 1545,1758 1436,1758 1417,1777 1417,2063
NetC11_1 on Bottom Layer "100" (solid, pour order 12): 1375,2444.01 1375,2063 1417,2063 1417,2443.99
VBAT on Bottom Layer "100" (solid, pour order 11): 1359,2445 1359,2235 1314,2190 1104,2190 1104,2255 1274,2255 1319,2300 1319,2445
+5V on Bottom Layer "100" (solid, pour order 2): 1225,1330 1285,1330 1285,1275 1225,1275

## Keep-outs
Keep-Out Layer:
  lines w10: 1000,1050 ccw(c1050,1050) 1050,1000 1315,1000 3505,1000 ccw(c3505,1050) 3555,1050 3555,2675 ccw(c3505,2675) 3505,2725 1050,2725 ccw(c1050,2675) 1000,2675 1000,1050

## Silkscreen, mask and mechanical layers (free items; w line width, h text height)
Top Overlay:
  text "RTLS TAG" at 2710,2456 h150 r270
  text "ST-LINK" at 1880,2402 h59.06
  text "BUTTON" at 2460.5,2391 h59.06
  text "SWITCH" at 1257,2333 h59.06 r270
  text "MCU" at 2299,2224 h59.06
  text "ULTRA-WIDEBAND" at 2903.95,2088.26 h59.06 r270
  text "USB" at 1771,1041.4 h59.06
  text "RESET" at 2304.6,1041.4 h59.06
  text "Designed by DungNV" at 2603,996 h80
Bottom Overlay:
  drawing of 1380 lines, arcs and shapes, not listed